# Altium PCB SNES TST Main.PcbDoc (part 2 of 3)
Units mm, origin at the board's own origin, x right, y up, seen from the top; angles counter-clockwise.
Board outline 62 x 43 mm, 4 copper layers (Top Layer, Ground Layer, Power Layer, Bottom Layer), stack 1.62 mm thick; 203 components, 269 nets, 985 pads, 609 vias.
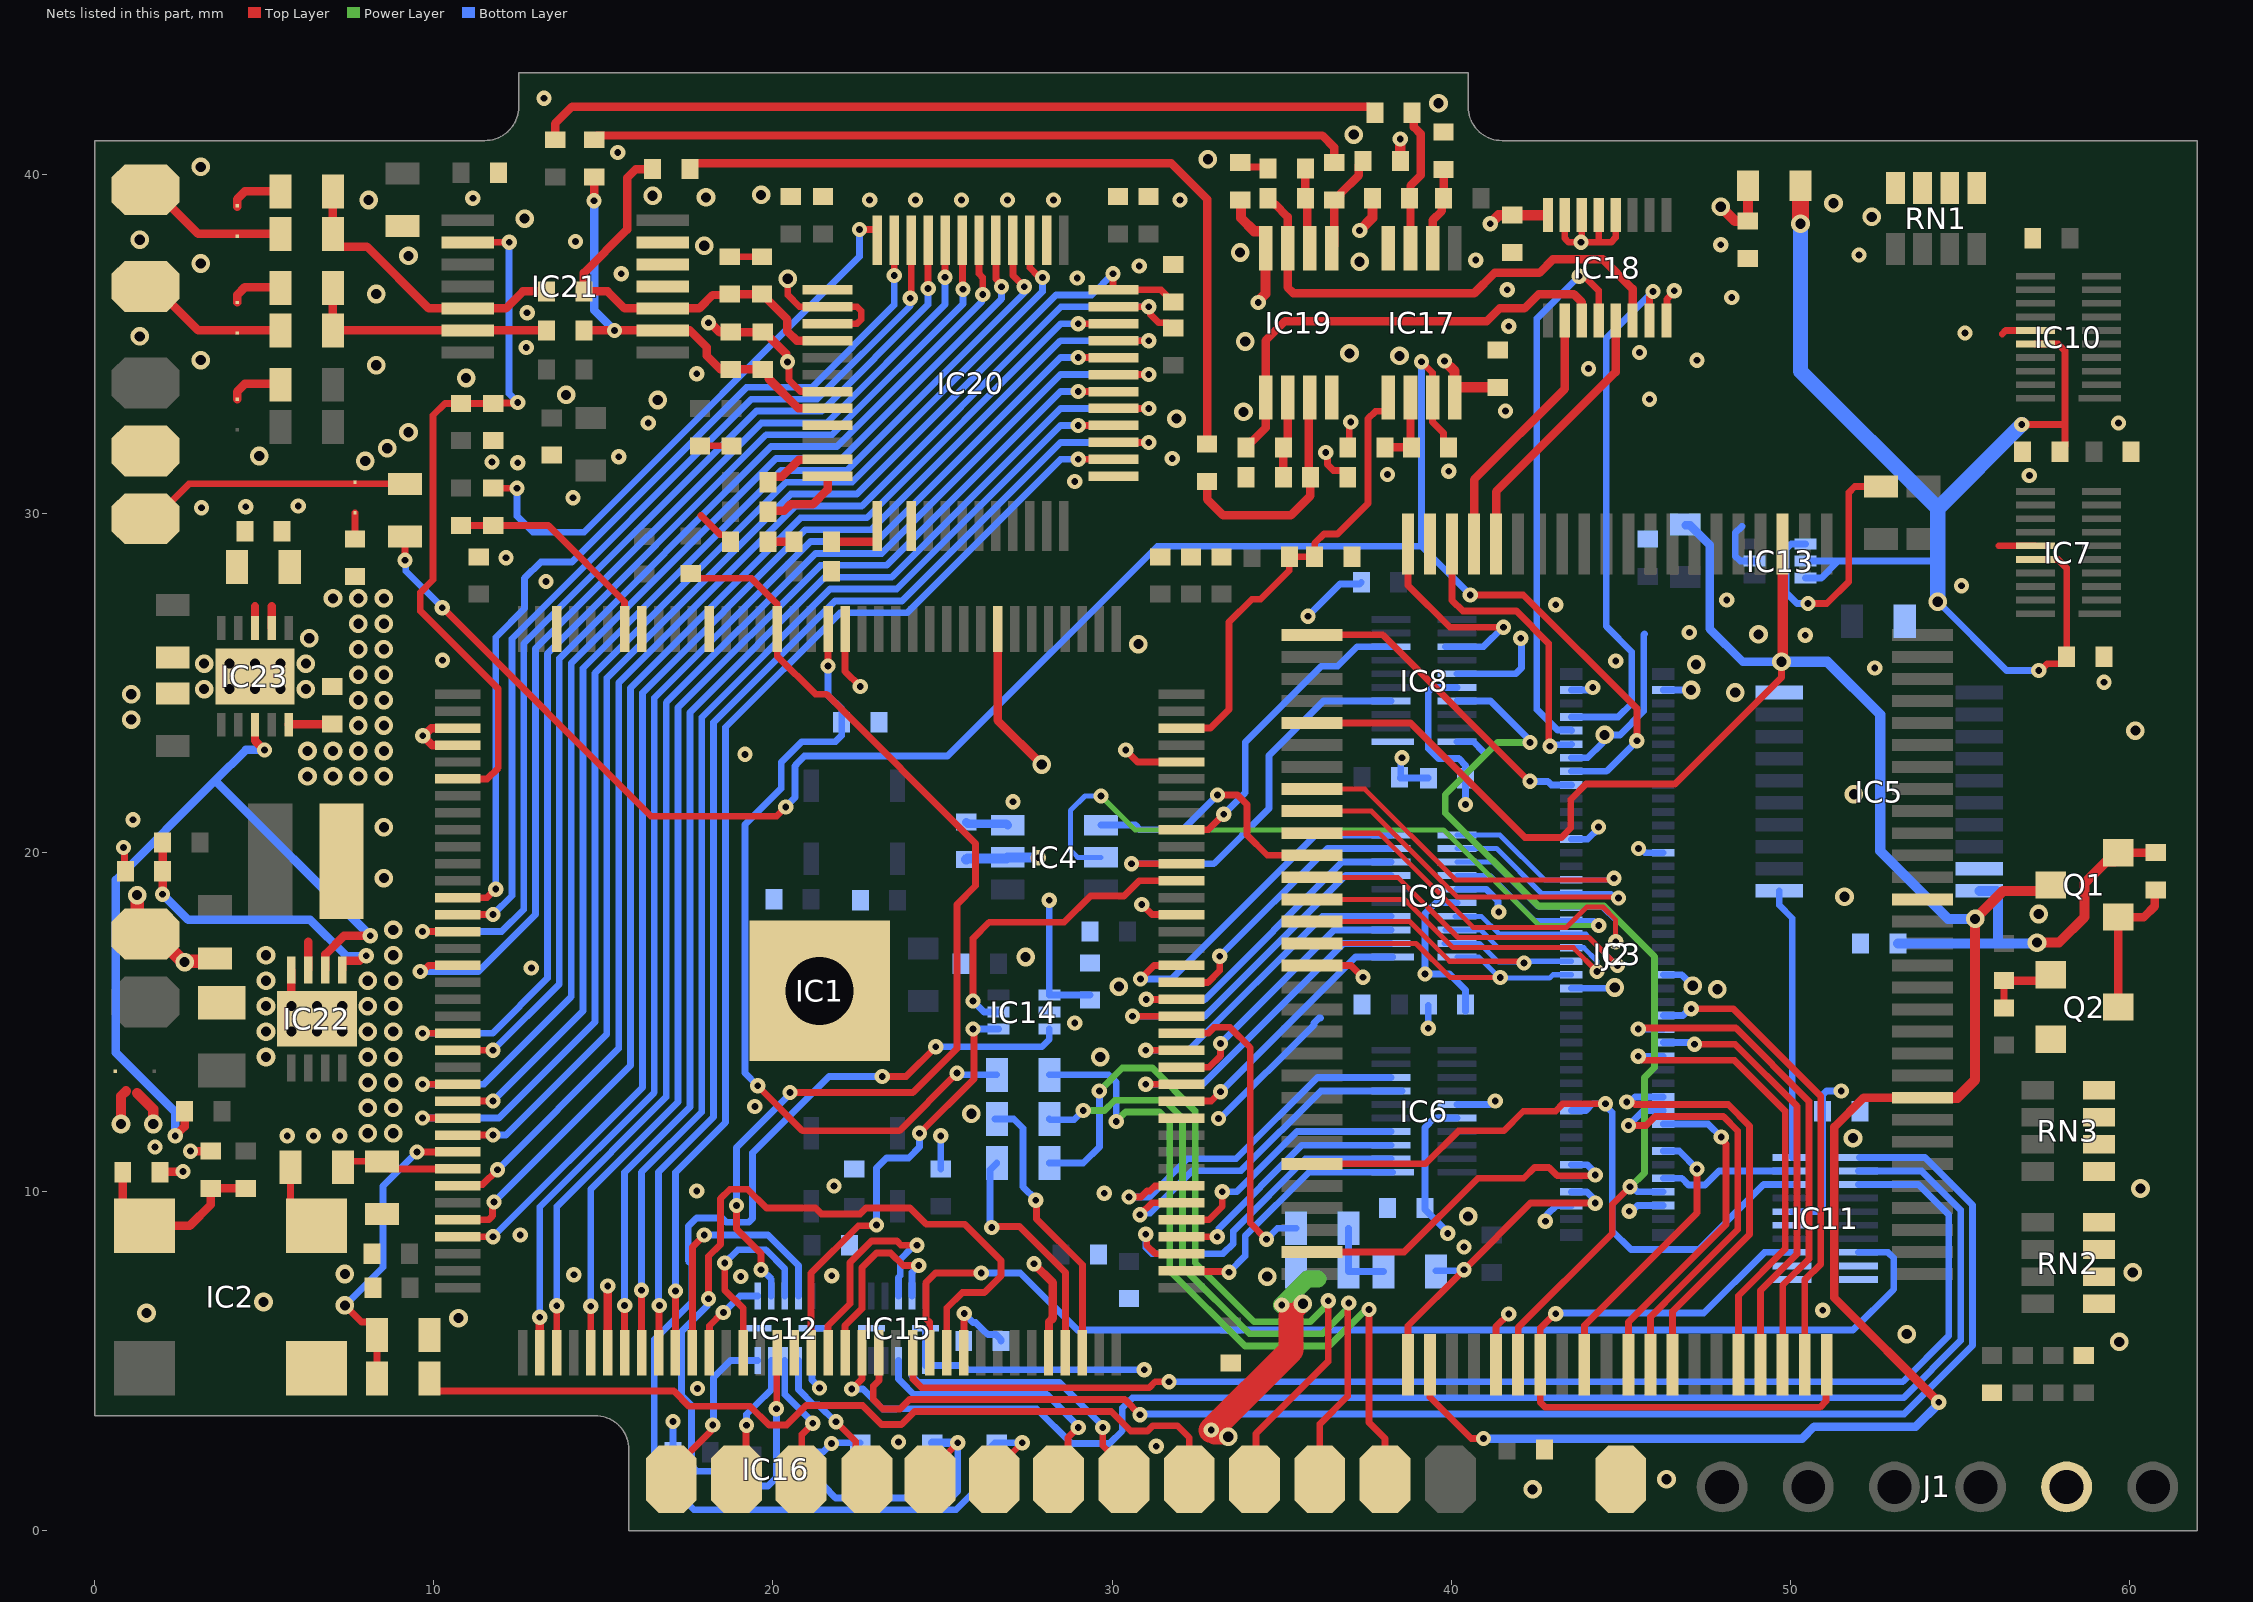
[diagram p4: the nets of this part, all layers, seen from the top]

## Via types
v1: diameter 0.45, hole 0.2, Top Layer to Bottom Layer, tented both sides, 443 vias
v2: diameter 0.55, hole 0.3, Top Layer to Bottom Layer, tented both sides, 166 vias

## Nets (pads, with @x,y where several pads share a name; then routed paths per layer and width w, separated by ;. In a path a pad name is that pad's centre, name@x,y a point inside that pad or via, vN(x,y) a via of type N, cw(c..) or ccw(c..) an arc to the next point about the centre after c; other vN are vias at no path point) (continued)
5V: C16.1 C17.1 C18.1 C20.1 C22.1 C24.1 C26.1 C28.1 C30.1 C32.1 C34.1 FB3.1 IC4.2 IC5.20 IC6.16 IC7.16 IC8.16 IC9.16 IC10.16 IC11.16 IC12.1 IC12.12 IC13.5 IC13.6 IC14.1 IC15.1 IC15.12 IC16.1 J2.1 J2.2 J2.24 J2.43 J2.78 JP5.1 Q1.S R6.1 R77.1 | length 99.5
  Top Layer w0.2: R6.1@3.425,11.2 R6.1@3.475,11.25 ; v1(56.825,32.625) 58.1,32.625 ; IC7.16@57.225,28.65 57.9,28.65 58.15,28.4 58.15,25.725 58,25.575 57.585,25.575 57.385,25.375 v1(57.325,25.375) ; IC10.16@57.225,35 57.9,35 58.1,34.8 58.1,32.625 ; C24.1@57.95,31.825 58.1,31.975 58.1,32.142 58.1,32.625
  Top Layer w0.25: v1(2.825,11.2) R6.1@3.425,11.2 ; Q1.S@59.675,20 R77.1@60.775,20
  Top Layer w0.3: v2(0.775,12) 0.775,12.825 0.925,12.975 ; 1.242,12.919 1.725,12.436 v2(1.725,12) ; v2(57.275,17.35) 57.925,17.35 58.675,18.1 58.675,19.1 59.325,19.75 59.575,19.75 Q1.S@59.675,19.85
  Top Layer w0.5: v1(32.923,2.973) 32.875,2.925 32.9,2.925 33.025,2.8 33.386,2.8 33.402,2.785 33.412,2.785 v2@33.414,2.786 ; 35.275,6.349 v2(35.627,6.7) ; v2(50.3,38.55) FB3.1@50.3,39.675 FB3.1@50.3,39.7
  Top Layer w0.75: v1(32.923,2.973) 35.275,5.325 35.275,6.349
  Power Layer w0.5: v1(35,6.665) 35.76,7.425 36.075,7.425
  Bottom Layer w0.2: IC16.1@20.836,2.325 21.475,2.325 v1(21.725,2.575) 21.75,2.6 C34.1@22.575,2.6 ; v1(21.375,4.218) 21.375,4.228 21.15,4.453 IC12.1@21.15,5.025 IC12.12@21.15,5.975 IC12.12@21.45,5.975 ; IC15.12@24.5,5.975 IC15.1@24.5,5.025 24.5,4.875 25.625,4.875 ; C32.1@25.625,5.6 25.625,4.875 ; v1(28.15,18.6) IC14.1@28.15,15.8 C30.1@29.35,15.8 ; v1(30.95,4.75) 25.75,4.75 25.625,4.875 ; v1(39.9,8.775) 39.9,8.8 39.225,9.475 C18.1@39.225,9.525 39.225,11.9 39.5,12.175 IC6.16@40.175,12.175 ; IC9.16@40.175,18.525 39.546,18.525 39.225,18.204 v1(39.225,16.425) 39.95,16.425 40.425,15.95 C28.1@40.425,15.525 C28.1@40.425,15.328 ; IC8.16@40.175,24.875 39.442,24.875 39.325,24.758 39.325,23.075 39.625,22.775 40.225,22.775 40.425,22.575 C22.1@40.425,22.2 v1(40.425,21.425) ; v1(42.777,9.133) 42.825,9.181 42.825,9.325 43.1,9.6 J2.78@43.545,9.6 ; J2.24@43.545,20.4 44.026,20.4 44.345,20.718 v1(44.345,20.757) ; J2.2@43.545,24.8 44.032,24.8 44.107,24.875 v1(44.175,24.875) ; J2.43@46.255,16.4 46.8,16.4 v2(47.125,16.075) ; J2.1@46.255,24.8 v2(47.075,24.8) ; IC11.16@50.057,9.415 50.79,9.415 50.95,9.575 C26.1@50.95,12.375 50.95,12.858 51.067,12.975 v1(51.5,12.975) ; IC13.6@50.45,28.1 50.914,28.1 51.414,28.6 ; IC13.5@50.45,28.6 51.414,28.6 ; v2(54.35,27.4) 56.375,25.375 v1(57.325,25.375) ; 54.349,28.6 51.414,28.6
  Bottom Layer w0.3: C16.1@25.7,19.8 25.732,19.832 26.891,19.832 26.916,19.857 27.818,19.857 v1(27.825,19.85) ; C17.1@53.175,17.325 56.125,17.325 ; IC5.20@55.575,18.875 56.075,18.875 56.125,18.825 56.125,17.325 ; v2(57.275,17.35) 57.25,17.325 56.125,17.325
  Bottom Layer w0.45: v2(50.3,38.55) 50.3,34.199 54.349,30.149 ; v2@54.349,27.401 54.349,28.6 54.349,30.149 ; v1(56.825,32.625) 54.349,30.149
  other v2: 33.425,2.775
5V_A: C36.1 C37.1 C38.1 C53.1 FB3.2 IC17.8 IC18.16 IC19.8 R31.2 R40.2 R45.2 | length 13.1
  Top Layer w0.2: v1(36.302,31.8) 36.302,31.732 36.355,31.679 36.355,31.445 36.525,31.275 36.8,31.275 36.95,31.125 R45.2@36.95,31.075
  Top Layer w0.3: C38.1@33.8,39.275 33.8,38.716 34.191,38.325 34.475,38.325 34.525,38.275 IC19.8@34.525,37.825 34.525,36.478 34.31,36.263 v1(34.31,36.223) ; v1(37.3,38.35) 37.675,38.725 R31.2@37.675,39.3 ; R40.2@38.5,40.4 v1(38.5,41.05) ; v1(39.8,34.5) 40.1,34.2 IC17.8@40.1,33.425 ; IC17.8@40.1,33.399 40.1,33.675 40.15,33.725 C36.1@41.375,33.725 ; v1(41.15,38.55) 41.4,38.8 C37.1@41.8,38.8 IC18.16@42.85,38.8 ; v2(47.95,39.05) 48.375,38.625 C53.1@48.75,38.625 FB3.2@48.75,39.675
5V_PPU: FB4.1 IC3.5 IC3.32 IC3.59 IC3.83 Q1.D | length 77.2
  Top Layer w0.2: IC3.5@35.9,23.825 37.548,23.825 37.549,23.824 38.798,23.824 42.172,20.45 43.25,20.45 43.525,20.725 43.525,21.575 43.978,22.028 46.603,22.028 49.741,25.166 v2(49.741,25.634) ; IC3.32@39.375,4.9 39.375,3.942 40.592,2.725 v1(40.952,2.725)
  Top Layer w0.25: IC3.59@53.9,12.775 52.16,12.775 51.3,11.915 51.3,6.872 v1(54.376,3.796)
  Top Layer w0.3: v2(49.741,25.634) 49.775,25.667 IC3.83@49.775,29.1 ; IC3.59@53.9,12.775 54.925,12.775 55.45,13.3 v2(55.45,18.05) 56.275,18.875 57.65,18.875 Q1.D@57.675,18.9
  Bottom Layer w0.25: v1(40.952,2.725) 50.35,2.725 50.7,3.075 53.7,3.075 54.376,3.751 v1(54.376,3.796) ; FB4.1@46.909,29.656 47.044,29.656 47.625,29.075 47.625,26.6 48.591,25.634 v2(49.741,25.634)
  Bottom Layer w0.3: v2(49.741,25.634) 51.091,25.634 52.65,24.075 52.65,20.05 54.65,18.05 v2(55.45,18.05)
AMPFILT: IC1.6 IC21.9 R68.2 R70.1 | length 21.5
  Top Layer w0.2: IC1.6@10.703,22.175 11.572,22.175 11.9,22.503 11.9,24.825 9.6,27.125 9.6,27.675 9.975,28.05 9.975,32.9 10.325,33.25 R68.2@10.8,33.25 R70.1@11.725,33.25 ; IC21.9@11,38 v1(12.225,38) ; R70.1@11.738,33.25 11.75,33.262 12.462,33.262 v1(12.475,33.275)
  Bottom Layer w0.2: v1(12.225,38) 12.213,37.987 12.213,33.537 v1(12.475,33.275)
BAMP: IC18.3 IC19.1 R49.2 | length 13.9
  Top Layer w0.25: R49.2@34,32 34,32.05 34.075,32.125 34.125,32.125 34.525,32.525 IC19.1@34.525,33.425 34.525,35.1 35.1,35.675 41.054,35.675 41.429,36.05 42.161,36.05 42.586,36.475 43.614,36.475 43.85,36.239 IC18.3@43.85,35.7
BDAC: IC20.28 IC21.3 R46.2 R56.2 R63.2 R67.2 | length 14
  Top Layer w0.25: 15.875,36.05 IC21.3@16.75,36.05 ; R46.2@16.45,40.16 15.96,40.16 15.7,39.9 15.7,38.375 14.425,37.1 R56.2@14.425,36.55 15.125,36.55 15.625,36.05 17.825,36.05 18.221,36.446 R67.2@18.721,36.446 ; R67.2@18.725,36.475 19.725,36.475 19.85,36.35 19.85,36.3 20.428,35.722 20.428,35.372 20.7,35.1 IC20.28@21.609,35.1
BDIG1: IC1.26 IC20.15 | length 37.2
  Top Layer w0.2: v1(9.662,12.175) IC1.26@10.703,12.175 ; IC20.15@27.571,38.063 27.571,37.252 27.815,37.008 27.898,37.008 v1(27.946,36.96)
  Bottom Layer w0.2: v1(9.662,12.175) 11.917,12.175 14.75,15.008 14.75,25.295 20.38,30.925 22.327,30.925 27.946,36.544 v1(27.946,36.96)
BDIG2: IC1.25 IC20.16 | length 34.2
  Top Layer w0.2: IC1.25@10.703,12.675 v1(11.745,12.675) ; IC20.16@27.075,38.066 27.075,37.024 v1(27.412,36.687)
  Bottom Layer w0.2: v1(11.745,12.675) 14.4,15.33 14.4,25.44 20.235,31.275 22.179,31.275 27.402,36.498 27.402,36.677 v1(27.412,36.687)
BDIG3: IC1.24 IC20.17 | length 35.3
  Top Layer w0.2: v1(9.662,13.175) IC1.24@10.703,13.175 ; IC20.17@26.575,38.066 26.575,36.92 26.738,36.756 v1(26.738,36.689)
  Bottom Layer w0.2: v1(9.662,13.175) 11.475,13.175 14.05,15.75 14.05,25.585 20.09,31.625 22.03,31.625 26.738,36.333 v1(26.738,36.689)
BDIG4: IC1.22 IC20.18 | length 32.1
  Top Layer w0.2: IC1.22@10.703,14.175 v1(11.745,14.175) ; IC20.18@26.075,38.066 26.075,37.075 26.184,36.966 v1(26.184,36.459)
  Bottom Layer w0.2: v1(11.745,14.175) 13.7,16.13 13.7,25.73 19.945,31.975 21.885,31.975 26.152,36.242 26.152,36.427 v1(26.184,36.459)
BDIG5: IC1.21 IC20.19 | length 33.4
  Top Layer w0.2: v1(9.662,14.675) IC1.21@10.703,14.675 ; IC20.19@25.575,38.066 25.588,38.054 25.588,36.626 v1(25.6,36.614)
  Bottom Layer w0.2: v1(9.662,14.675) 11.725,14.675 13.35,16.3 13.35,25.875 19.8,32.325 21.74,32.325 25.6,36.185 v1(25.6,36.614)
BDIG6: IC1.17 IC20.20 | length 31.3
  Top Layer w0.2: v1(9.6,16.5) 9.668,16.5 9.843,16.675 IC1.17@10.703,16.675 ; v1(25.075,36.972) IC20.20@25.075,38.066
  Bottom Layer w0.2: v1(9.6,16.5) 11.32,16.5 13,18.18 13,26.02 19.655,32.675 21.585,32.675 25.075,36.165 v1(25.075,36.972)
BDIG7: IC1.15 IC20.21 | length 30.1
  Top Layer w0.2: v1(9.662,17.675) IC1.15@10.703,17.675 ; v1(24.575,36.64) IC20.21@24.575,38.066
  Bottom Layer w0.2: v1(9.662,17.675) 12,17.675 12.65,18.325 12.65,26.165 19.51,33.025 21.44,33.025 24.575,36.16 v1(24.575,36.64)
BDIG8: IC1.14 IC20.22 | length 27.1
  Top Layer w0.2: IC1.14@10.703,18.175 v1(11.745,18.175) ; v1@24.075,36.375 IC20.22@24.075,38.066
  Bottom Layer w0.2: v1(11.745,18.175) 12.3,18.73 12.3,26.31 19.365,33.375 21.295,33.375 24.05,36.13 v1(24.05,36.35)
BDIG9: IC1.13 IC20.23 | length 26.9
  Top Layer w0.2: IC1.13@10.703,18.675 11.573,18.675 v1(11.824,18.926) ; v1(23.575,37.025) IC20.23@23.575,38.066
  Bottom Layer w0.2: v1(11.824,18.926) 11.824,26.349 12.675,27.2 12.675,28.097 13.153,28.575 14.071,28.575 19.221,33.725 21.15,33.725 23.575,36.15 v1(23.575,37.025)
BLANKDAC: IC1.30 IC20.11 R50.1 | length 39.6
  Top Layer w0.2: IC1.30@10.703,10.175 10.743,10.215 11.44,10.215 v1(11.875,10.65) ; IC20.11@30.041,36.1 v1(31.083,36.1) 31.131,36.052 31.131,35.872 31.378,35.625 31.65,35.625 R50.1@31.8,35.475
  Bottom Layer w0.2: v1(11.875,10.65) 15.45,14.225 15.45,25.005 20.67,30.225 22.62,30.225 28.495,36.1 v1(31.083,36.1)
BLUE: IC21.12 R56.1 R64.1 R69.1 | length 8.7
  Top Layer w0.25: R69.1@7.025,38.25 7.025,38.075 7.225,37.875 7.371,37.875 8.025,37.875 9.85,36.05 IC21.12@11,36.05 12.125,36.05 12.625,36.55 R56.1@13.325,36.55 ; R69.1@7.025,38.49 R64.1@7.025,39.65
BLUEOUT: JP4.1 R69.2 TP17.1 | length 4.4
  Top Layer w0.25: TP17.1@1.65,39.65 3.05,38.25 R69.2@5.475,38.25
BPPU: IC3.97 IC18.2 | length 7.7
  Top Layer w0.25: IC3.97@40.675,29.1 40.675,31.001 43.35,33.676 IC18.2@43.35,35.7
BSYS: IC18.4 J2.8 | length 16.2
  Top Layer w0.2: v1(43.775,37) 43.823,36.952 43.973,36.952 44.35,36.575 IC18.4@44.35,35.7
  Bottom Layer w0.2: J2.8@43.545,23.6 43.53,23.615 43.131,23.615 42.525,24.221 42.525,35.75 v1(43.775,37)
BURST: IC3.1 J2.16 | length 9.5
  Top Layer w0.2: IC3.1@35.9,26.425 37.983,26.425 42.302,22.106 v1(42.325,22.106)
  Bottom Layer w0.2: v1(42.325,22.106) 42.33,22.101 42.85,22.101 42.951,22 J2.16@43.545,22
CHR0: IC3.46 J2.55 | length 13.8
  Top Layer w0.2: v1(45.519,14) 45.642,13.877 48.353,13.877 49.85,12.38 49.85,8.31 48.475,6.935 IC3.46@48.475,4.9
  Bottom Layer w0.2: v1(45.519,14) J2.55@46.255,14
CHR1: IC3.47 J2.53 | length 12.8
  Top Layer w0.2: v1(47.175,14.352) 48.373,14.352 50.2,12.525 50.2,12.211 50.2,8.165 49.125,7.09 IC3.47@49.125,4.9
  Bottom Layer w0.2: J2.53@46.255,14.4 47.059,14.4 47.107,14.352 v1(47.175,14.352)
CHR2: IC3.48 J2.51 | length 14.8
  Top Layer w0.2: v1(45.519,14.8) 45.546,14.827 48.393,14.827 50.55,12.67 50.55,8.02 49.775,7.245 IC3.48@49.775,4.9
  Bottom Layer w0.2: v1(45.519,14.8) J2.51@46.255,14.8
CHR3: IC3.49 J2.49 | length 13.9
  Top Layer w0.2: v1(47.077,15.401) 48.314,15.401 50.9,12.815 50.9,7.875 50.425,7.4 IC3.49@50.425,4.9
  Bottom Layer w0.2: J2.49@46.255,15.2 46.835,15.2 v1@47.077,15.442
CIC3V0: IC1.52 IC16.4 | length 4.6
  Top Layer w0.2: v1(20.1,3.6) 20.112,3.612 20.112,5.241 IC1.52@20.125,5.253
  Bottom Layer w0.2: IC16.4@19.336,1.325 19.85,1.325 20.1,1.575 v1(20.1,3.6)
CIC3V1: IC1.54 IC14.4 | length 13
  Top Layer w0.2: IC1.54@21.125,5.253 21.125,7.6 22.524,8.999 23.027,8.999 v1(23.05,9.022) ; v1(24.323,11.727) 25.925,13.328 25.925,14.775 v1(25.9,14.8)
  Bottom Layer w0.2: v1(23.05,9.022) 23.05,10.7 23.35,11 24.004,11 24.323,11.32 v1(24.323,11.727) ; v1(25.9,14.8) IC14.4@26.65,14.8
CIC3V2: IC1.55 IC15.9 | length 7
  Top Layer w0.2: IC1.55@21.625,5.253 21.625,6.05 22.275,6.7 22.275,7.917 22.905,8.547 23.653,8.547 23.775,8.425 v1(24.25,8.425)
  Bottom Layer w0.2: IC15.9@23.7,6.925 23.7,7.475 23.75,7.525 23.75,7.997 24.091,8.338 24.095,8.338 24.182,8.425 v1(24.25,8.425)
CIC3V3: IC1.56 IC15.10 | length 5.7
  Top Layer w0.2: IC1.56@22.125,5.253 22.125,6.055 22.625,6.555 22.625,7.772 23.05,8.197 23.472,8.197 23.842,7.827 v1(24.3,7.827)
  Bottom Layer w0.2: IC15.10@24.1,6.925 24.1,7.625 24.1,7.627 v1(24.3,7.827)
CIC5V0: IC16.3 R28.2 TP10.1 | length 8.4
  Top Layer w0.2: TP10.1@24.625,1.525 24.762,1.662 24.762,1.912 v1(25.45,2.6)
  Bottom Layer w0.2: IC16.3@20.836,1.325 21.5,1.325 21.85,0.975 25.25,0.975 25.45,1.175 v1(25.45,2.6)
  Bottom Layer w0.25: R28.2@24.7,2.6 v1(25.45,2.6)
CIC5V1: IC14.3 R27.2 TP11.1 | length 36.2
  Top Layer w0.2: v1(23.225,13.402) 23.927,13.402 v1(24.8,14.275) ; TP11.1@26.525,1.525 26.662,1.662 26.662,1.912 v1(27.35,2.6)
  Bottom Layer w0.2: v1(23.225,13.402) 23.223,13.4 21.65,13.4 19.4,11.15 19.4,9.217 19.283,9.1 18.625,9.1 18.5,9.225 17.75,9.225 17.5,8.975 17.5,7.966 17.609,7.857 17.609,6.759 16.5,5.65 16.5,1.8 17.675,0.625 25.4,0.625 25.95,1.175 25.95,2 26.55,2.6 R27.2@26.6,2.6 v1(27.35,2.6) ; v1(24.8,14.275) 27.925,14.275 28.15,14.5 IC14.3@28.15,14.8
CIC5V2: IC15.3 TP12.1 | length 8.2
  Top Layer w0.2: TP12.1@28.425,1.525 28.7,1.8 28.7,2.75 v1(29,3.05)
  Bottom Layer w0.2: IC15.3@23.7,5.025 23.7,4.48 23.8,4.38 23.8,4.376 24.151,4.025 28.075,4.025 29,3.1 v1(29,3.05)
CIC5V3: IC15.2 TP13.1 | length 8.5
  Top Layer w0.2: v1(29.725,3.05) 29.725,2.512 30.35,1.887 TP13.1@30.35,1.525
  Bottom Layer w0.2: IC15.2@24.1,5.025 24.1,4.571 24.296,4.375 28.45,4.375 29.725,3.1 v1(29.725,3.05)
CICDIR0: IC1.62 IC16.5 | length 23.5
  Top Layer w0.2: v1(18.1,6.85) 18.1,8.1 18.45,8.45 18.45,9.797 18.728,10.075 19.255,10.075 19.808,9.522 21.253,9.522 21.426,9.349 22.572,9.349 22.745,9.522 24.042,9.522 24.517,9.047 25.653,9.047 26.725,7.975 26.725,7.522 26.233,7.029 25.584,7.029 25.125,6.57 IC1.62@25.125,5.253
  Bottom Layer w0.2: v1(18.1,6.85) 18.052,6.802 18.052,6.627 17.3,5.875 17.3,4 17.6,3.7 17.6,1.925 17.765,1.76 19.271,1.76 IC16.5@19.336,1.825
CICDIR1: IC1.97 IC14.5 | length 9.6
  Top Layer w0.2: v1(25.9,15.625) 25.9,17.475 26.375,17.95 28.585,17.95 29.36,18.725 30.353,18.725 30.803,19.175 IC1.97@32.047,19.175
  Bottom Layer w0.2: v1(25.9,15.625) 26.225,15.3 IC14.5@26.65,15.3
COLOR0: IC3.41 J2.65 | length 9.8
  Top Layer w0.2: IC3.41@45.225,4.9 45.225,6.16 46.425,7.36 48.1,9.035 48.1,11.411 47.964,11.546 v1(47.964,11.614)
  Bottom Layer w0.2: J2.65@46.255,12 47.578,12 v1(47.964,11.614)
COLOR1: IC3.42 J2.63 | length 12.7
  Top Layer w0.2: v1(45.225,11.957) 45.228,11.959 45.75,11.959 46.016,12.225 48.025,12.225 48.45,11.8 48.45,8.89 46.775,7.215 45.875,6.315 IC3.42@45.875,4.9
  Bottom Layer w0.2: v1(45.225,11.957) 45.668,12.4 J2.63@46.255,12.4
COLOR2: IC3.43 J2.61 | length 13.1
  Top Layer w0.2: v1(45.175,12.65) 45.223,12.602 45.39,12.602 45.417,12.575 47.65,12.575 48.17,12.575 48.8,11.945 48.8,11.425 48.8,8.745 47.125,7.07 46.525,6.47 IC3.43@46.525,4.9
  Bottom Layer w0.2: v1@45.213,12.688 v1(45.175,12.65) 45.273,12.65 45.423,12.8 J2.61@46.255,12.8
CONTC3V: IC1.50 IC12.9 | length 5.8
  Top Layer w0.2: v1(18.575,7.9) 18.575,7.106 19.125,6.556 IC1.50@19.125,5.253
  Bottom Layer w0.2: v1(18.575,7.9) 18.966,8.291 19.789,8.291 20.35,7.73 IC12.9@20.35,6.925
CONTC5V: IC12.3 TP6.1 | length 4
  Top Layer w0.2: TP6.1@20.825,1.525 20.85,1.55 20.85,2.85 v1(21.175,3.175)
  Bottom Layer w0.2: IC12.3@20.35,5.025 20.35,4.022 21.175,3.197 v1(21.175,3.175)
CONTD3V: IC1.129 IC12.8 R19.2 | length 31.4
  Top Layer w0.2: R19.2@17.572,28.236 17.716,28.091 19.373,28.091 20.125,27.339 20.125,25.8 21.25,24.675 21.573,24.675 25.975,20.273 25.975,19.025 25.425,18.475 25.425,14.228 24.124,12.927 v1(20.505,12.927) ; v1(18.925,9.6) 18.925,8.9 19.65,8.175 v1(19.65,7.7)
  Bottom Layer w0.2: v1(18.925,9.6) 18.925,11.303 20.505,12.883 v1(20.505,12.927) ; v1(19.65,7.7) 19.675,7.7 19.95,7.425 IC12.8@19.95,6.925
CONTD5V: IC12.4 TP7.1 | length 3.9
  Top Layer w0.2: TP7.1@18.925,1.525 19.208,1.808 19.208,3.107 v1(19.217,3.116)
  Bottom Layer w0.2: v1(19.217,3.116) 19.217,3.441 19.496,3.72 19.95,4.175 IC12.4@19.95,5.025
CONTDO3V: IC1.48 IC12.7 | length 2.6
  Top Layer w0.2: IC1.48@18.125,5.253 18.125,6.05 18.514,6.439 v1(18.537,6.439)
  Bottom Layer w0.2: v1(18.537,6.439) 19.023,6.925 IC12.7@19.55,6.925
CONTDO5V: IC12.5 TP8.1 | length 4.8
  Top Layer w0.2: TP8.1@17,1.775 18.177,2.952 18.177,3.077 v1(18.225,3.125)
  Bottom Layer w0.2: v1(18.225,3.125) 18.25,3.15 18.25,4.525 18.75,5.025 IC12.5@19.55,5.025
CONTL3V: IC1.47 IC12.10 | length 7.7
  Top Layer w0.2: IC1.47@17.625,5.253 17.625,8.375 v1(17.975,8.725)
  Bottom Layer w0.2: v1(17.975,8.725) 19.85,8.725 20.75,7.825 IC12.10@20.75,6.925
CONTL5V: IC12.2 TP5.1 | length 4.4
  Top Layer w0.2: v1(21.86,3.22) 22.441,2.639 22.441,1.859 TP5.1@22.775,1.525
  Bottom Layer w0.2: IC12.2@20.75,5.025 20.75,4.172 21.202,3.72 21.347,3.72 21.847,3.22 v1(21.86,3.22)
CSYNCDAC: IC1.27 IC20.12 R54.2 | length 38.4
  Top Layer w0.2: IC1.27@10.703,11.675 v1(11.745,11.675) ; v1(30.025,37.075) 30.025,36.616 IC20.12@30.041,36.6 31.441,36.6 R54.2@31.799,36.242
  Bottom Layer w0.2: v1(11.745,11.675) 12.125,11.675 15.1,14.65 15.1,25.15 20.525,30.575 22.475,30.575 28.35,36.45 29.4,36.45 v1(30.025,37.075)
CSYNCI3V: IC1.100 IC8.8 | length 9.3
  Top Layer w0.2: IC1.100@32.047,20.675 32.833,20.675 v1(33.292,21.133)
  Bottom Layer w0.2: v1(33.292,21.133) 33.925,21.767 33.925,23.25 36.175,25.5 36.655,25.5 37.23,26.075 IC8.8@38.225,26.075
CSYNCI5V: IC3.100 IC8.13 | length 6.5
  Top Layer w0.2: IC3.100@38.725,29.1 38.725,27.884 39.959,26.649 v1(41.545,26.649)
  Bottom Layer w0.2: IC8.13@39.835,26.075 40.949,26.075 41.523,26.649 v1(41.545,26.649)
CSYNCO3V: IC1.106 IC17.5 R13.2 R17.1 | length 13.8
  Top Layer w0.2: IC1.106@32.047,23.675 32.905,23.675 33.45,24.22 33.45,26.8 34.125,27.475 34.375,27.475 35.225,28.325 R13.2@35.225,28.725 R17.1@35.975,28.725 35.975,29.125 36.25,29.4 36.65,29.4 37.55,30.3 37.55,32.8 37.767,33.017 38.05,33.017 38.15,33.117 IC17.5@38.15,33.425
CSYNCO5V: IC17.7 J2.14 R34.1 R39.1 | length 57.8
  Top Layer w0.2: v1(9.15,28.625) R34.1@9.15,29.325 ; v1(10.248,27.227) 16.4,21.075 20.1,21.075 v1(20.375,21.35) ; v1(39.127,34.476) 39.45,34.153 IC17.7@39.45,33.425 39.45,32.7 39.775,32.375 39.775,32.15 39.975,31.95 R39.1@40,31.95 ; v1(40.564,27.599) 42.125,27.6 45.475,24.25 v1(45.475,23.3)
  Bottom Layer w0.2: v1(9.15,28.625) 9.171,28.604 9.171,28.304 v1(10.248,27.227) ; v1(20.375,21.35) 20.65,21.625 20.65,22.554 20.675,22.579 20.675,22.6 20.925,22.85 25.15,22.85 31.337,29.037 39.127,29.037 ; v1(39.127,34.476) 39.127,29.037 ; v1(40.564,27.599) 39.127,29.037 ; J2.14@43.545,22.4 44.575,22.4 v1(45.475,23.3)
CSYNCO75: JP1.1 R34.2 TP14.1 | length 8.1
  Top Layer w0.2: TP14.1@1.5,29.85 1.75,29.85 2.777,30.877 R34.2@9.15,30.877
D3V0: IC1.84 IC9.1 | length 8
  Top Layer w0.2: IC1.84@32.047,12.675 32.925,12.675 v1(33.2,12.95)
  Bottom Layer w0.2: v1(33.2,12.95) 37.175,16.925 IC9.1@38.275,16.925
D3V1: IC1.85 IC9.2 | length 10
  Top Layer w0.2: v1(30.993,13.175) IC1.85@32.047,13.175
  Bottom Layer w0.2: v1(30.993,13.175) 32.675,13.175 36.825,17.325 IC9.2@38.225,17.325
D3V2: IC1.86 IC9.3 | length 8.1
  Top Layer w0.2: IC1.86@32.047,13.675 32.865,13.675 33.2,14.01 v1(33.2,14.375)
  Bottom Layer w0.2: v1(33.2,14.375) 36.55,17.725 IC9.3@38.225,17.725
D3V3: IC1.87 IC9.4 | length 9.9
  Top Layer w0.2: v1(30.993,14.175) IC1.87@32.047,14.175
  Bottom Layer w0.2: v1(30.993,14.175) 32.25,14.175 36.2,18.125 IC9.4@38.225,18.125
D3V4: IC1.89 IC9.7 | length 10.8
  Top Layer w0.2: v1(30.6,15.175) IC1.89@32.047,15.175
  Bottom Layer w0.2: v1(30.6,15.175) 32.73,15.175 36.88,19.325 IC9.7@38.225,19.325